# Altium PCB MB1166.PcbDoc (part 1 of 39)
Units mil, origin at the board's own origin, x right, y up, seen from the top; angles counter-clockwise.
Board outline 5000.99 x 2352.96 mil, 4 copper layers (TOP, L2_GND, L3_VCC, BOTTOM), stack 25.9 mil thick; 35 components, 24 nets, 166 pads, 143 vias.
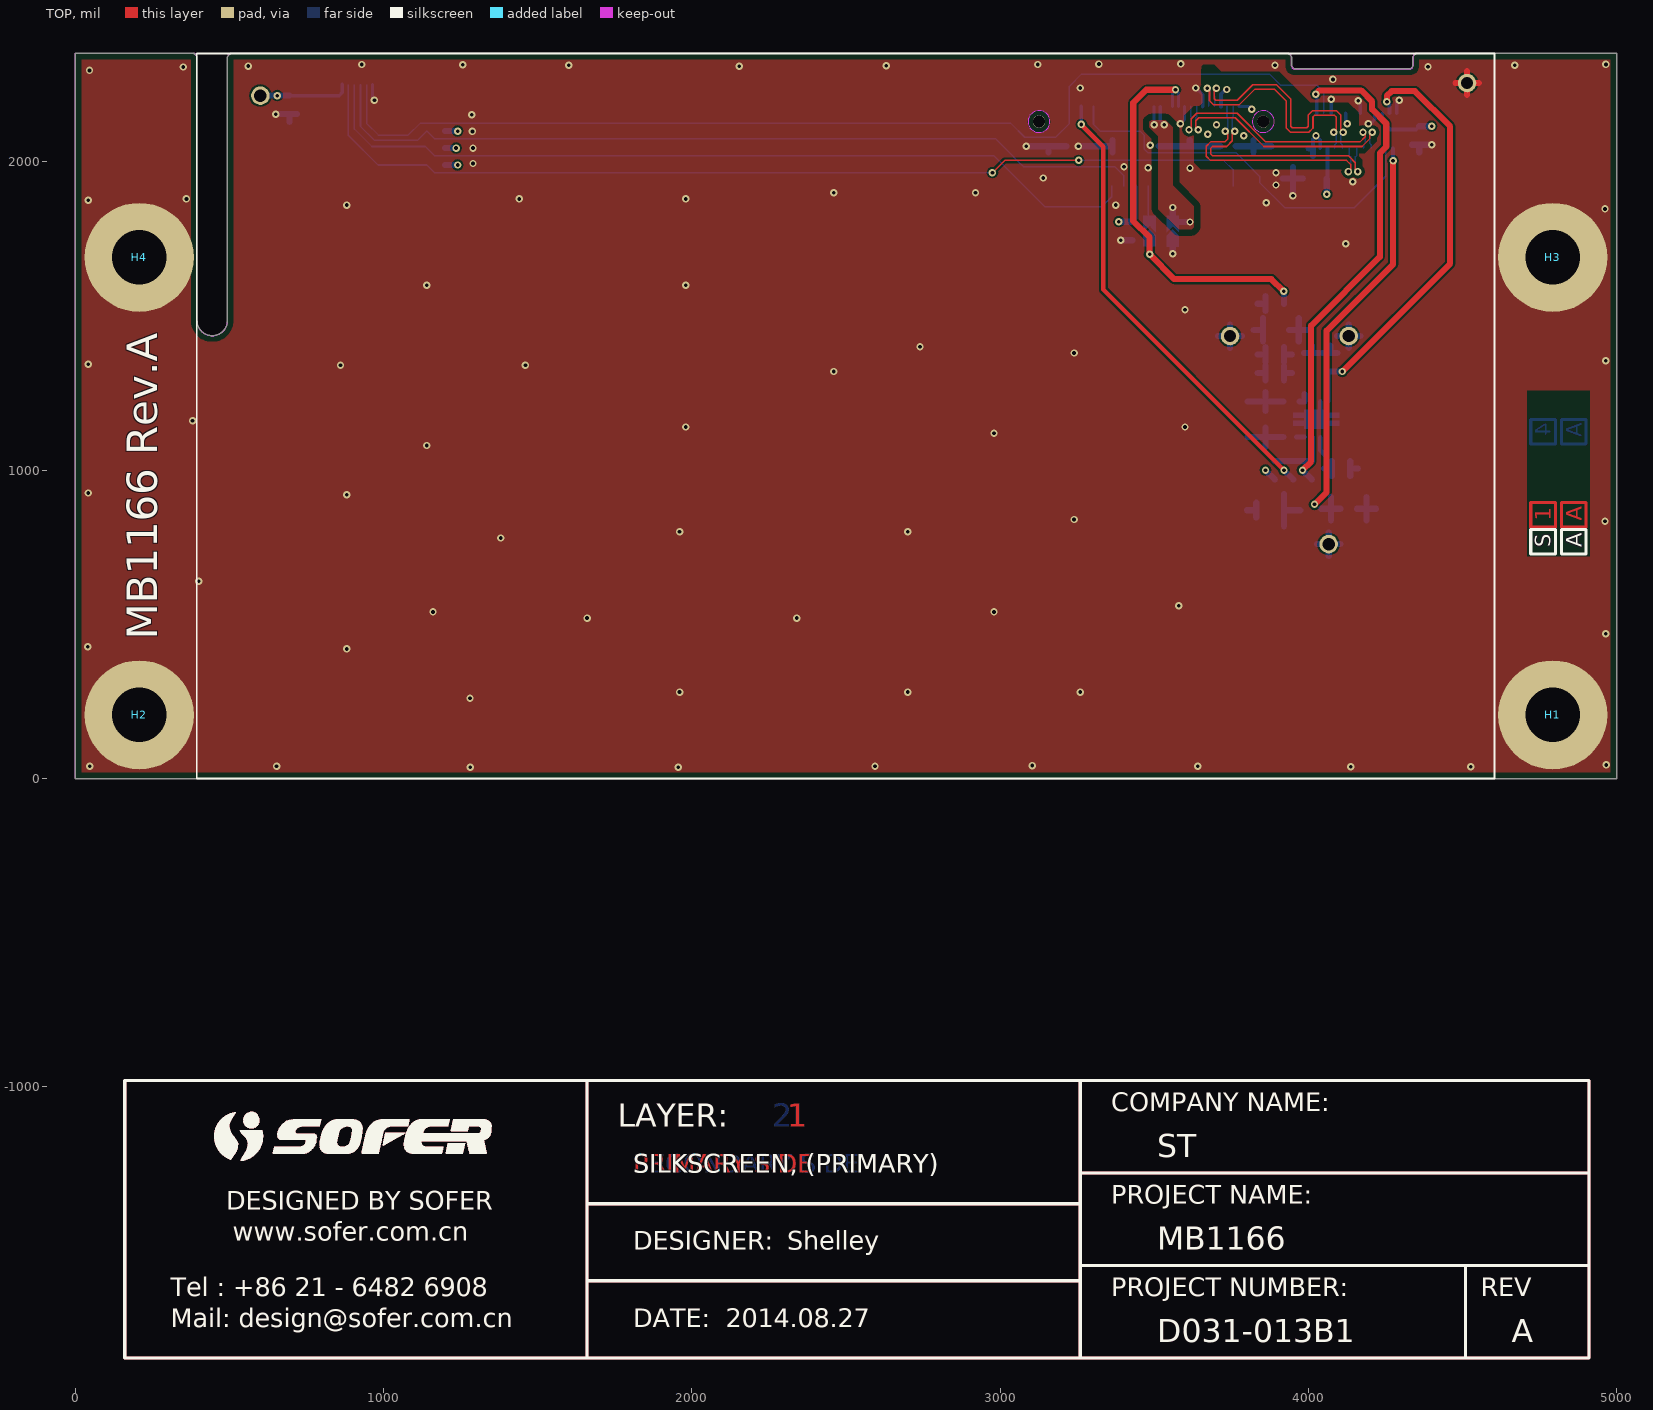
[diagram p0: TOP view]
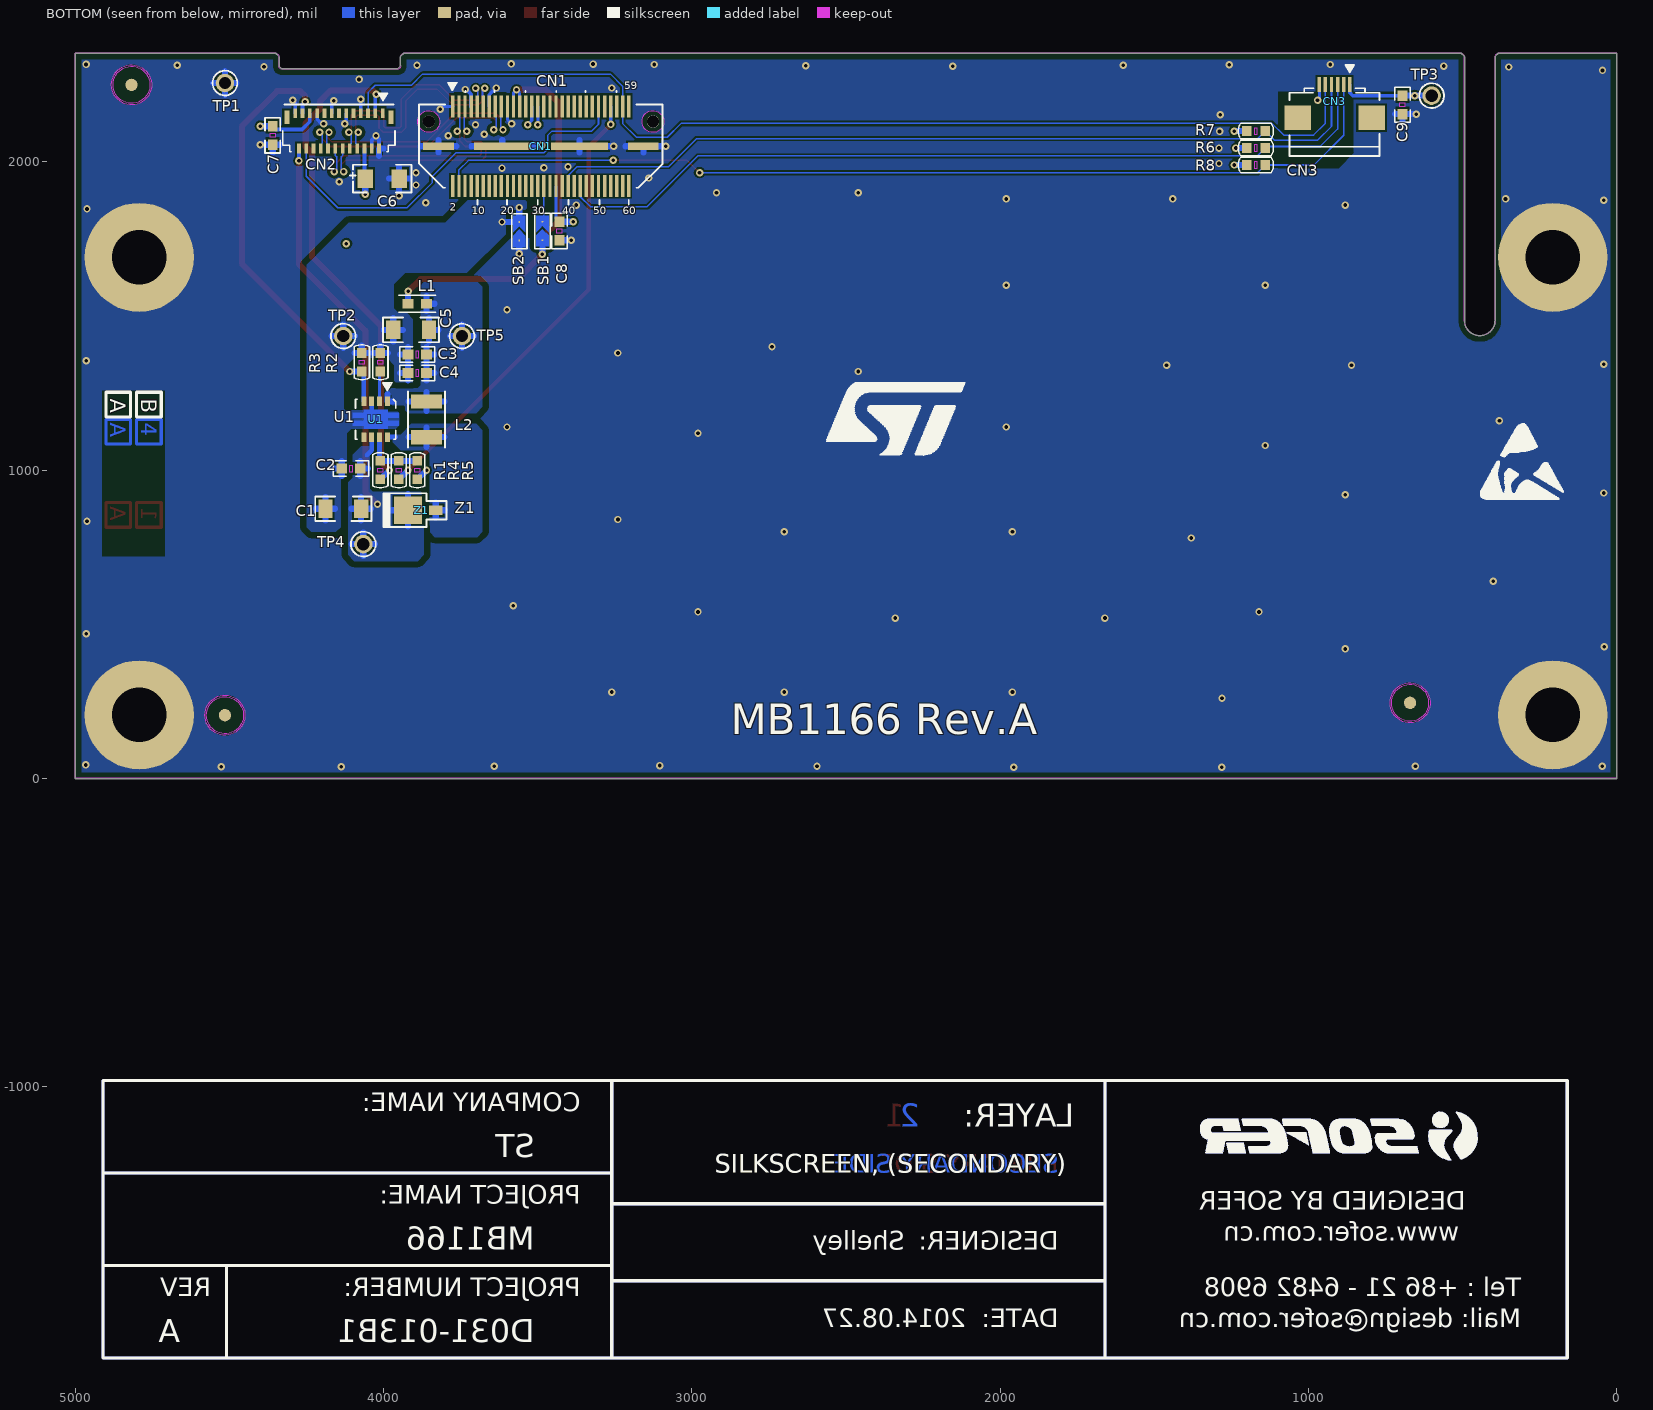
[diagram p1: BOTTOM view, seen from below]
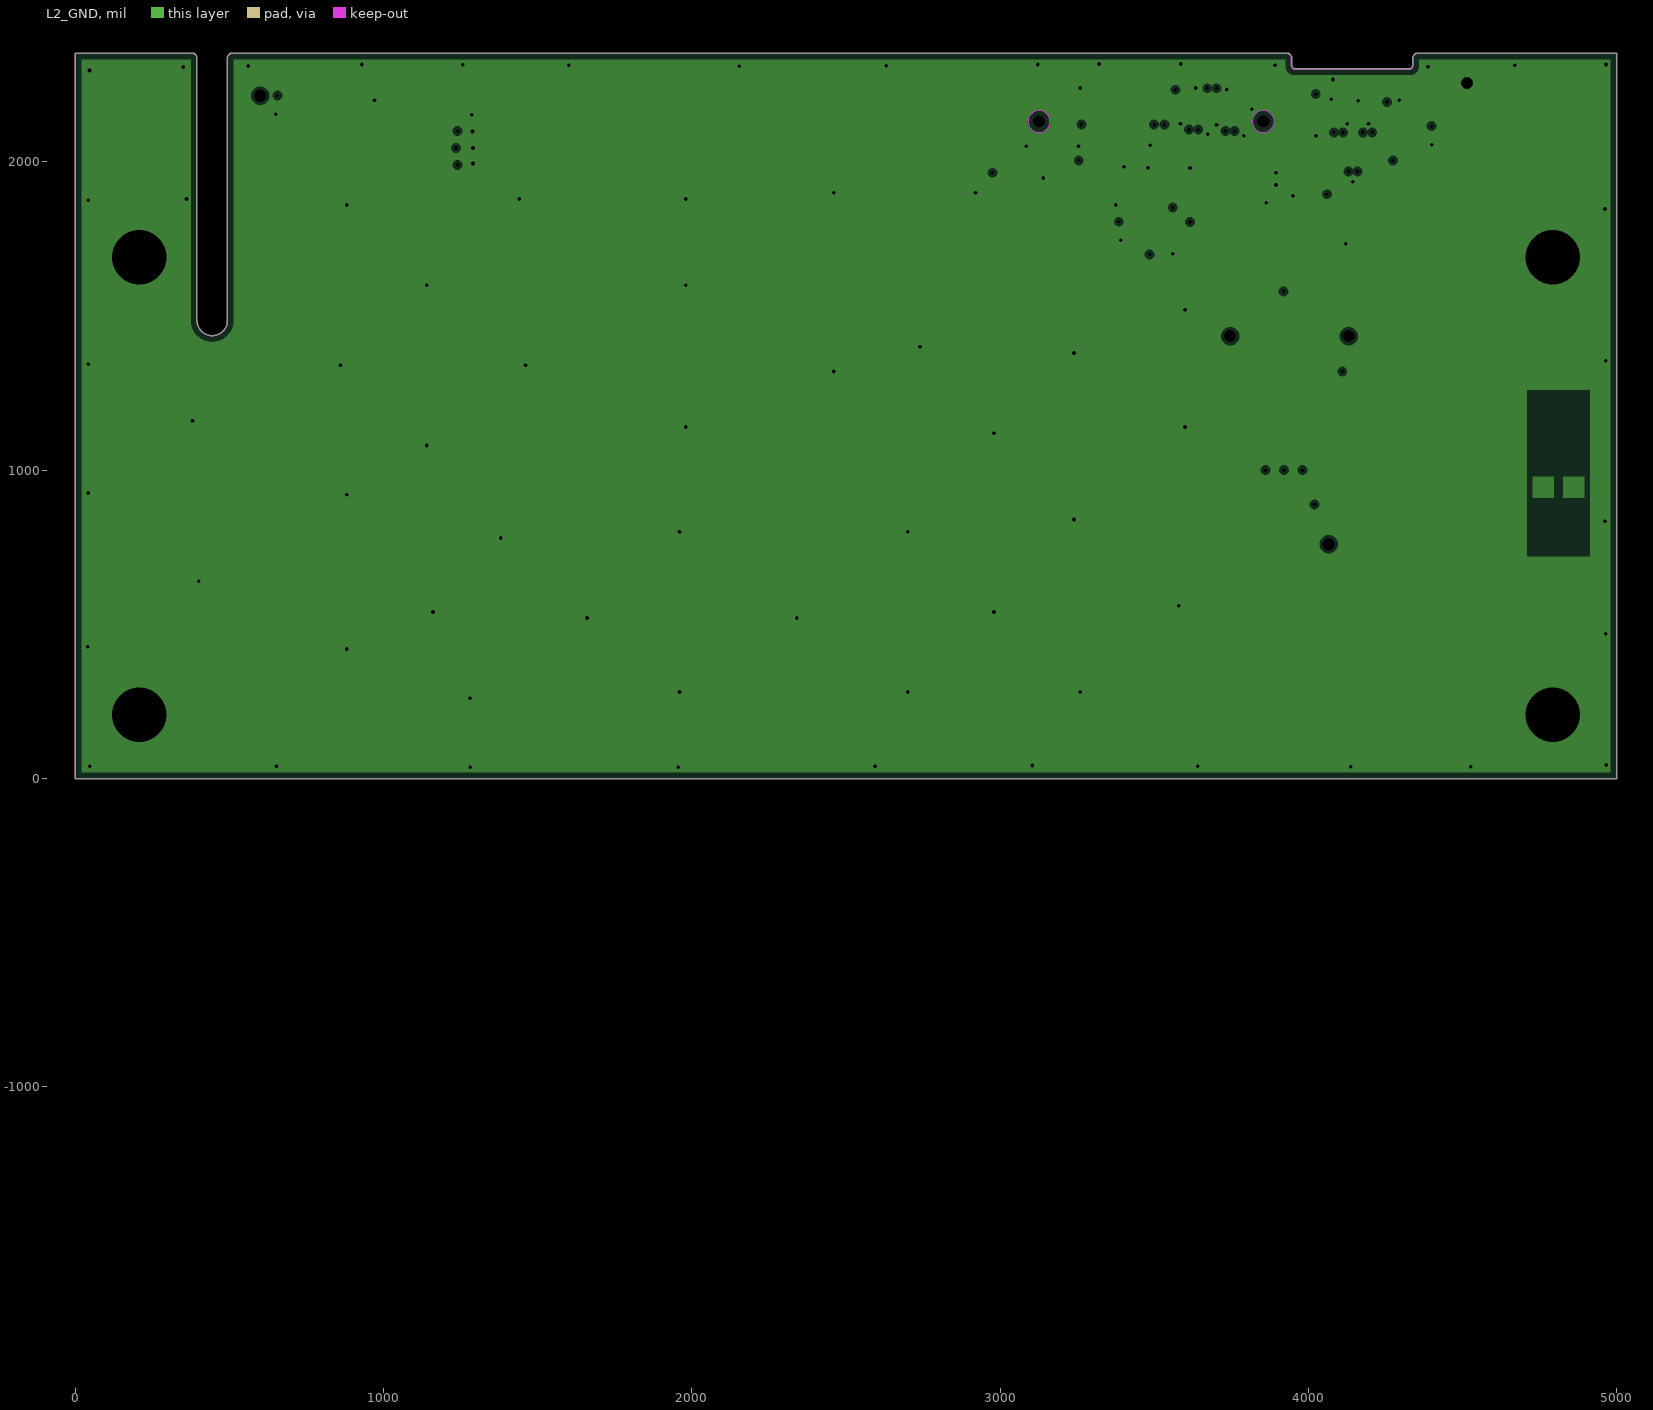
[diagram p2: L2_GND, clearances drawn from the general rule]
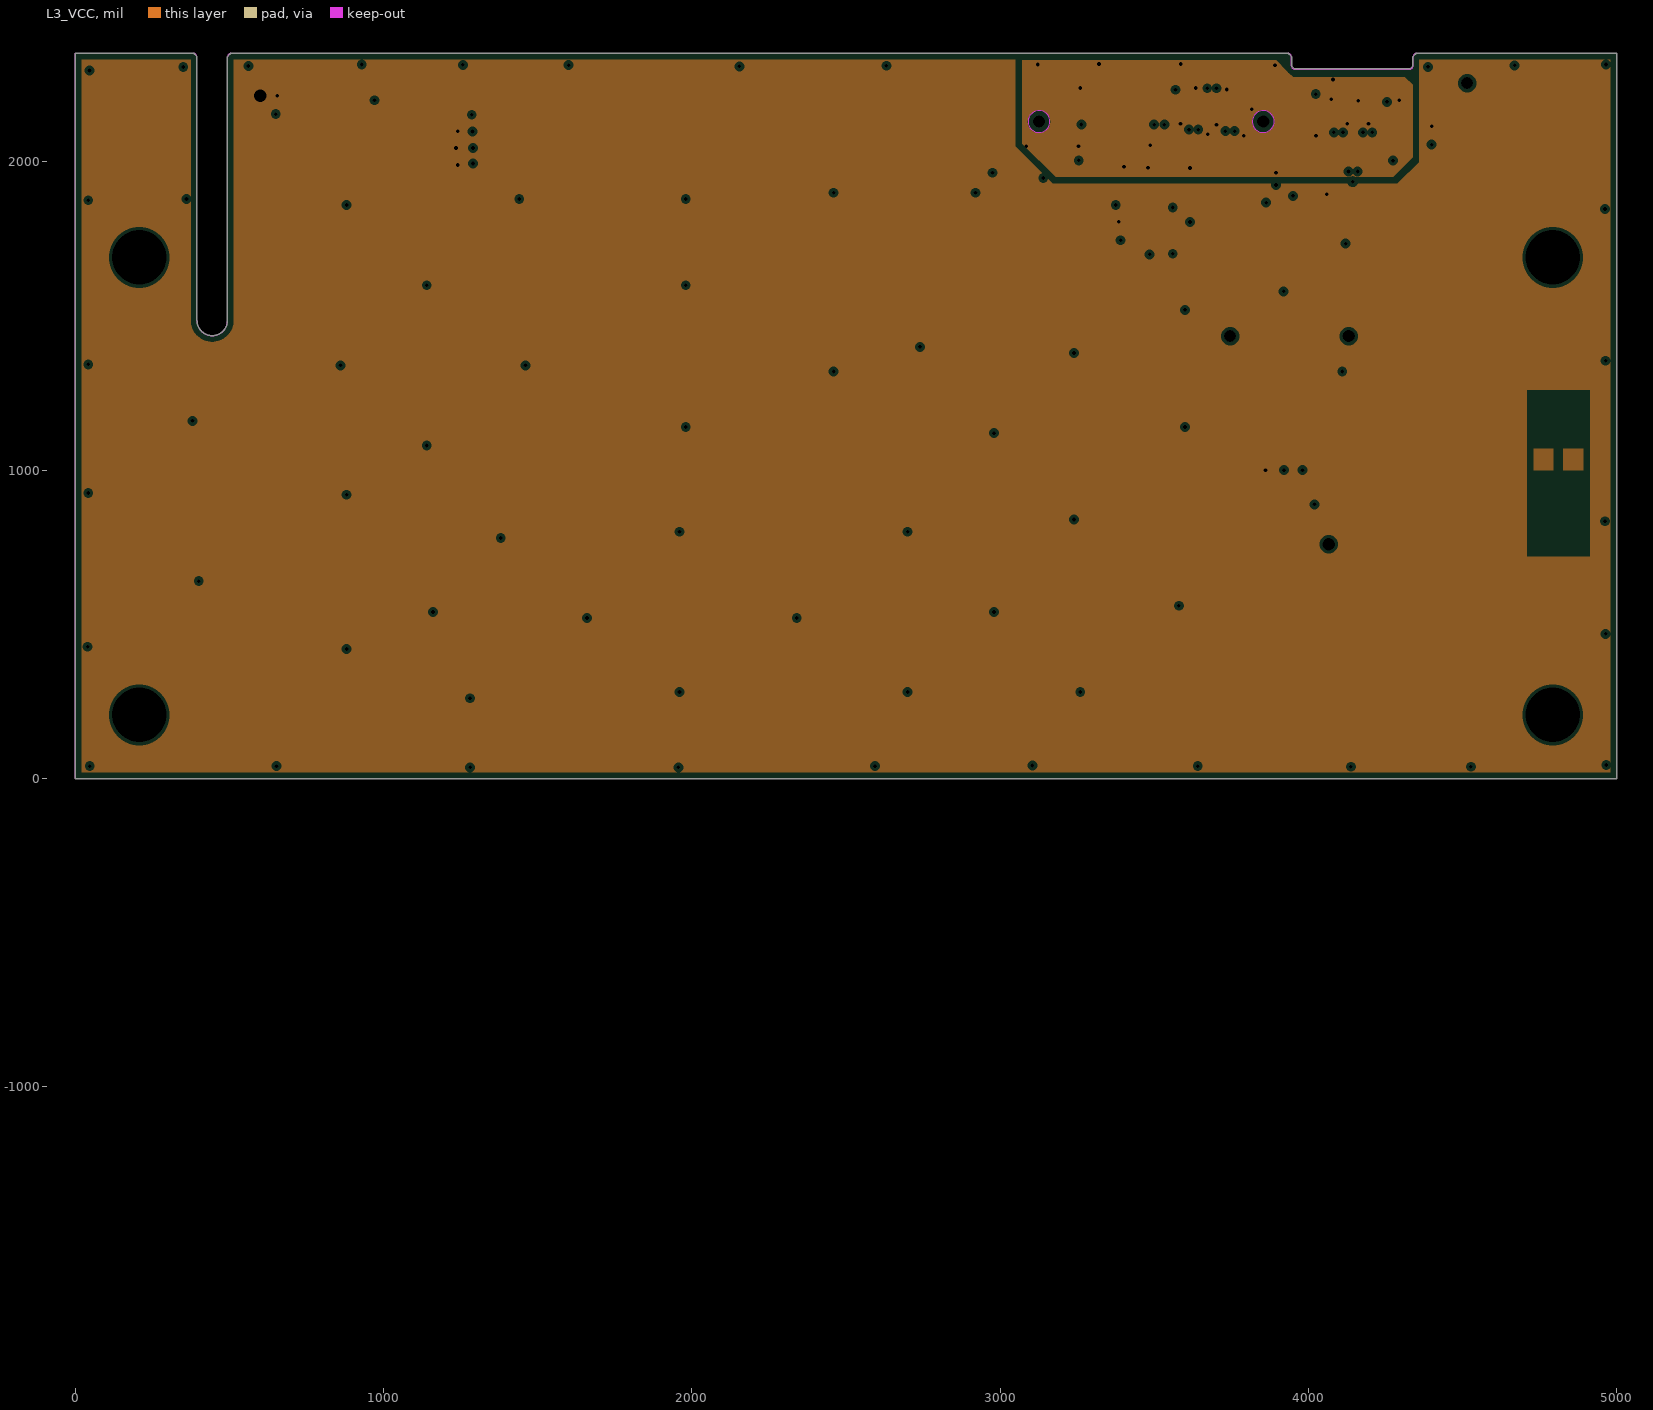
[diagram p3: L3_VCC, clearances drawn from the general rule]

## Layer stack, top to bottom
Top Solder: solder mask 0.4, Solder Resist, Dk 3.5
TOP: signal copper 1.8
Dielectric 1: core 8, FR-4, Dk 4.5
L2_GND: plane copper 1.2
Dielectric2: core 8, FR-4, Dk 4.5
L3_VCC: plane copper 1.2
Dielectric3: core 3.9, FR-4, Dk 4.3
BOTTOM: signal copper 1.8
Bottom Solder: solder mask 0.4, Solder Resist, Dk 3.5

## Board outline
-0.5,0 0,-0.5 4999.99,-0.5 5000.49,0 5000.49,2351.96 4999.99,2352.46 4350,2352.46 4339.5,2341.96 4339.5,2311.3 4330,2301.8 3955,2301.8 3945.5,2311.3 3945.5,2341.96 3935,2352.46 503.74,2352.46 493.24,2341.96 493.24,1485.99 cw(c443.74,1485.99) 443.74,1436.49 cw(c443.74,1485.99) 394.24,1485.99 394.24,2341.96 383.74,2352.46 0,2352.46 -0.5,2351.96

## Design rules (kind name [scope] priority, off if disabled: settings)
Clearance Clearance_Keepout [IsKeepout] p1: gap=0.01 ignorepadtopadclearanceinfootprint=FALSE
Clearance Clearance_HSSI_D0_N [(ObjectKind = 'Via') And (Net = 'HSSI_D0_N') And (AsMils(X1) = 3671.84) vs InPolygon And OnTopLayer] p2: gap=10 ignorepadtopadclearanceinfootprint=FALSE
Clearance Clearance_HSSI [InNet('HSSI_CLK_N','HSSI_CLK_P','HSSI_D1_N','HSSI_D1_P') vs InPolygon] p3: gap=10 ignorepadtopadclearanceinfootprint=FALSE
Clearance Clearance_BGA [TouchesRoom('RoomDefinition_BGA1') or TouchesRoom('RoomDefinition_BGA2')] p4: gap=5 ignorepadtopadclearanceinfootprint=FALSE except(4: Arc-Arc Arc-Track Arc-SMDPad Arc-THPad Arc-Via Arc-Text Arc-Hole Track-Track Track-SMDPad Track-THPad Track-Via Track-Text Track-Hole SMDPad-SMDPad SMDPad-THPad SMDPad-Via SMDPad-Text THPad-Via THPad-Text Via-Text Via-Hole Fill-Text Poly-Text Region-Text Text-Text)
Clearance Clearance_SB_0603 [HasFootprint('SB_0603') vs (HasFootprint('SB_0603') or IsTrack) and not InPolygon] p5: gap=5 ignorepadtopadclearanceinfootprint=FALSE except(0: Arc-Hole Track-Hole SMDPad-Hole THPad-Hole Via-Hole Fill-Hole Poly-Hole Region-Hole Text-Hole; 6: Arc-Fill Arc-Poly Arc-Region Track-Fill Track-Poly Track-Region SMDPad-Fill SMDPad-Poly SMDPad-Region THPad-Fill THPad-Poly THPad-Region Via-Fill Via-Poly Via-Region; 7: Fill-Fill Fill-Poly Fill-Region Poly-Poly Poly-Region Region-Region)
Clearance Clearance_20 [InDifferentialPairClass('100OHM') vs not TouchesRoom('RoomDefinition_TitleBlock')] p6: gap=5 ignorepadtopadclearanceinfootprint=FALSE except(0: Arc-Hole Track-Hole SMDPad-Hole THPad-Hole Via-Hole Fill-Hole Poly-Hole Region-Hole Text-Hole; 6: SMDPad-Fill SMDPad-Poly SMDPad-Region THPad-Fill THPad-Poly THPad-Region Via-Fill Via-Poly Via-Region; 20: Arc-Arc Arc-Track Arc-Fill Arc-Poly Arc-Region Track-Track Track-Fill Track-Poly Track-Region Fill-Fill Fill-Poly Fill-Region Poly-Poly Poly-Region Region-Region)
Clearance [All vs not TouchesRoom('RoomDefinition_TitleBlock')] p7: gap=5 ignorepadtopadclearanceinfootprint=FALSE except(0: Arc-Hole Track-Hole SMDPad-Hole THPad-Hole Via-Hole Fill-Hole Poly-Hole Region-Hole Text-Hole; 6: Arc-Fill Arc-Poly Arc-Region Track-Fill Track-Poly Track-Region SMDPad-Fill SMDPad-Poly SMDPad-Region THPad-Fill THPad-Poly THPad-Region Via-Fill Via-Poly Via-Region; 20: Fill-Fill Fill-Poly Fill-Region Poly-Poly Poly-Region Region-Region)
ComponentClearance [All] p1: gap=0 collisioncheckmode=3 verticalgap=0 showdistances=FALSE
DiffPairsRouting DiffPairsRouting_100OHM [InDifferentialPairClass('100OHM')] p1: maxlimit=9.9 minlimit=9.9 mostfreqgap=9.9 toplayer_minwidth=5 toplayer_maxwidth=9999 toplayer_prefwidth=5.1 bottomlayer_minwidth=5 bottomlayer_maxwidth=9999 bottomlayer_prefwidth=5.1 maxuncoupledlength=500
DiffPairsRouting [All] p2: maxlimit=10 minlimit=10 mostfreqgap=10 toplayer_minwidth=15 toplayer_maxwidth=15 toplayer_prefwidth=15 bottomlayer_minwidth=15 bottomlayer_maxwidth=15 bottomlayer_prefwidth=15 maxuncoupledlength=500
HoleSize [All] p1: absolutevalues=TRUE maxlimit=200 minlimit=1 maxpercent=80.000 minpercent=20.000
PlaneClearance PlaneConnect_Fixations-L3 [InComponent('H*')] p1: clearance=20
PlaneClearance PlaneClearance_CN1 [IsPad And (Name = 'CN1- ') or InComponent('TP*')] p2: clearance=15
PlaneClearance [All] p3: clearance=10
PlaneConnect PlaneConnect_TP1_TP3 [InComponent('TP1','TP3')] p1: planeconnectstyle=Relief reliefexpansion=8 reliefentries=4 reliefconductorwidth=15 reliefairgap=7
PlaneConnect PlaneConnect_Fixations [InComponent('H*')] p2: planeconnectstyle=Relief reliefexpansion=8 reliefentries=4 reliefconductorwidth=40 reliefairgap=7
PlaneConnect [All] p3: planeconnectstyle=Direct reliefexpansion=8 reliefentries=4 reliefconductorwidth=40 reliefairgap=7
PolygonConnect PolygonConnect_Fixations [InComponent('H*')] p1: connectstyle=Direct reliefconductorwidth=10 reliefentries=4 polygonreliefangle="90 Angle" airgapwidth=10
PolygonConnect [All] p2: thpad.connectstyle=NoConnect thpad.reliefconductorwidth=10 thpad.reliefentries=4 thpad.polygonreliefangle="90 Angle" thpad.airgapwidth=6 smdpad.connectstyle=NoConnect smdpad.reliefconductorwidth=10 smdpad.reliefentries=4 smdpad.polygonreliefangle="90 Angle" smdpad.airgapwidth=6 via.connectstyle=Direct via.reliefconductorwidth=10 via.reliefentries=4 via.polygonreliefangle="90 Angle" via.airgapwidth=10
RoomDefinition Top [InComponentClass('Top')] p1: confinementstyle=ConfineOut formatcopy=TRUE lockcomponents=FALSE outline 4080,2070 4180,2070 4180,2015 4080,2015
RoutingVias [All] p1: holewidth=12 width=24 viastyle="Through Hole" minholewidth=12 minwidth=24 maxholewidth=12 maxwidth=24
SolderMaskExpansion SolderMaskExpansion_Via [IsVia] p1: expansion=-100 istentingtop=FALSE
SolderMaskExpansion [All] p2: expansion=3 istentingtop=FALSE
Width Width_20MIL [InNetClass('20MIL')] p1: maxlimit=9999 minlimit=5 preferedwidth=20
Width [not TouchesRoom('RoomDefinition_TitleBlock')] p2: maxlimit=9999 minlimit=5 preferedwidth=5 minimp=60.000000 maximp=60.000000 favimp=60.000000
25 further rules are at their usual default settings.

## Classes and differential pairs
differential pair DIFFPAIR0: +HSSI_CLK_P -HSSI_CLK_N
differential pair DIFFPAIR1: +HSSI_D0_P -HSSI_D0_N
differential pair DIFFPAIR2: +HSSI_D1_P -HSSI_D1_N

## Components (designator, comment, footprint, x,y, rotation, side; value= is the part's Value field where it differs from the comment)
C1 "4.7uF/50V" 1206C 4130.98,875 r180 bottom value=100pF
C2 "10nF" 0603C 4105.98,1005 r0 bottom value=100pF
C3 "100nF" 0603C 3890.98,1375 r0 bottom value=100pF
C4 "10nF" 0603C 3890.98,1315 r0 bottom value=100pF
C5 "4.7uF/10V" 1206C 3910.98,1455 r180 bottom value=100pF
C6 "4.7uF" TAN-A 4005,1945.98 r180 bottom value=100pF
C7 "100nF" 0603C 4360,2085.98 r270 bottom value=100pF
C8 "100nF" 0603C 3430,1775.98 r270 bottom value=100pF
C9 "100nF" 0603C 695,2185 r270 bottom value=100pF
CN1 "QTH-030-02-F-D-A" QTH-030-02-F-D-A 3490,2050.98 r0 bottom
CN2 "FH26-25S-0.3SHW" FPC25_FPC03025-1420 4145,2100.98 r180 bottom
CN3 "FH19C-6S-05SH" FH19C-6S-0R5SH_FPC_CPT 915,2250.98 r0 bottom
H1 "POSITION HOLE" HOLE_C9D4R5 4792.99,205.83 r0 top
H2 "POSITION HOLE" HOLE_C9D4R5 207,205.83 r0 top
H3 "POSITION HOLE" HOLE_C9D4R5 4792.99,1690.24 r0 top
H4 "POSITION HOLE" HOLE_C9D4R5 207,1690.24 r0 top
L1 "BEAD" 0603L 3890.98,1540 r0 bottom value=100uH
L2 "4.7uH(1A)" 1210L 3860.98,1165 r90 bottom value=100uH
R1 "0" 0603R 4010.98,1000 r90 bottom value=1K
R2 "100K" 0603R 4010.98,1350 r270 bottom value=1K
R3 "10" 0603R 4070.98,1350 r90 bottom value=1K
R4 "[N/A]" 0603R 3950.98,1000 r90 bottom value=1K
R5 "4K7" 0603R 3890.98,1000 r90 bottom value=1K
R6 "[N/A]" 0603R 1170,2045 r180 bottom value=1K
R7 "[N/A]" 0603R 1170,2100 r180 bottom value=1K
R8 "4K7" 0603R 1170,1990 r0 bottom value=1K
SB1 "Open" SB_0603 3485,1775.98 r90 bottom
SB2 "Open" SB_0603 3560,1775 r90 bottom
TP1 "" TP 4515,2255.98 r0 bottom
TP2 "" TP 4130.98,1435 r270 bottom
TP3 "" TP 600,2215 r180 bottom
TP4 "" TP 4065.98,760 r270 bottom
TP5 "" TP 3745.98,1435 r270 bottom
U1 "STLD40DPUR" SON8_0R65_3X3 4025.98,1165 r180 bottom
Z1 "STPS1L40M" DO-216AA 3830.98,870 r180 bottom

## Footprints (in the part's own frame and the unit in brackets; to place one, negate y for a bottom-side part, rotate by r counter-clockwise, add the part's x,y. Pads: shape width x height; smd on the part's side, far side on the other; paste and mask are expansions set on the pad)
0603C [mil] "0603C"
  rect 35x32 smd: 1(30,0) 2(-30,0)
  TOP keep-out region: 5,10 -5,10 -5,-10 5,-10 5,10
  silkscreen extent -57,-25 57,25, body extent -50,-20 50,20, height 150
0603L [mil] "0603L"
  rect 35x32 smd: 1(30,0) 2(-30,0)
  silkscreen extent -60,-28 60,28, body extent -50,-19 50,19, height 150
0603R [mil] "0603R"
  rect 31x32 smd: 1(30,0) 2(-30,0)
  TOP keep-out region: 5,-10 5,10 -5,10 -5,-10 5,-10
  silkscreen extent -57,-25 57,25, body extent -50,-20 50,20, height 150
1206C [mil] "1206C"
  rect 46x60 smd: 1(58,0) 2(-58,0)
  silkscreen extent -91,-40 91,40, body extent -81,-30 81,30, height 150
1210L [mil] "1210L"
  rect 46x100 smd: 1(58,0) 2(-58,0)
  silkscreen extent -91,-60 91,60, body extent -83,-53 83,53, height 150
DO-216AA [mil] "DO-216AA"
  rect 45x32 smd: 1(0,0)
  rect 90x89 smd: 2(-90,0)
  silkscreen extent -170,-55 35,55, body extent -173,-58 38,58, height 150
FH19C-6S-0R5SH_FPC_CPT [mil] "FH19C-6S-0R5SH_FPC_CPT"
  rect 11x49 smd mask+2: 1(-49.21,0) 2(-29.53,0) 3(-9.84,0) 4(9.84,0) 5(29.53,0) 6(49.21,0)
  rect 86x79 smd: 7(120.08,107.28) 8(-120.08,107.28)
  silkscreen extent -146,-64 146,231, body extent -165,-30 170,230, height 150
FPC25_FPC03025-1420 [mil] "FPC25_FPC03025-1420"
  rect 12x32 smd: 1(141.73,57.09) 2(129.92,-57.09) 3(118.11,57.09) 4(106.3,-57.09) 5(94.49,57.09) 6(82.68,-57.09) 7(70.87,57.09) 8(59.06,-57.09) 9(47.24,57.09) 10(35.43,-57.09) 11(23.62,57.09) 12(11.81,-57.09) 13(0,57.09) 14(-11.81,-57.09) 15(-23.62,57.09) 16(-35.43,-57.09) 17(-47.24,57.09) 18(-59.06,-57.09) 19(-70.87,57.09) 20(-82.68,-57.09) 21(-94.49,57.09) 22(-106.3,-57.09) 23(-118.11,57.09) 24(-129.92,-57.09) 25(-141.73,57.09)
  rect 16x44 smd: " "(-169.29,43.31) " "(169.29,43.31)
  silkscreen extent -182,-68 182,122, body extent -177,-76 177,79, height 150
HOLE_C9D4R5 [mil] "HOLE_C9D4R5"
  round 354 / inner round 60 / far side round 354 hole 177 mask+4: 1(0,0)
  body extent -185,-185 185,185, height 150
QTH-030-02-F-D-A [mil] "QTH-030-02-F-D-A"
  rect 11x72 smd mask+2: 1(285.43,-129.13) 2(285.43,129.13) 3(265.75,-129.13) 4(265.75,129.13) 5(246.06,-129.13) 6(246.06,129.13) 7(226.38,-129.13) 8(226.38,129.13) 9(206.69,-129.13) 10(206.69,129.13) 11(187.01,-129.13) 12(187.01,129.13) 13(167.32,-129.13) 14(167.32,129.13) 15(147.64,-129.13) 16(147.64,129.13) 17(127.95,-129.13) 18(127.95,129.13) 19(108.27,-129.13) 20(108.27,129.13) 21(88.58,-129.13) 22(88.58,129.13) 23(68.9,-129.13) 24(68.9,129.13) 25(49.21,-129.13) 26(49.21,129.13) 27(29.53,-129.13) 28(29.53,129.13) 29(9.84,-129.13) 30(9.84,129.13) 31(-9.84,-129.13) 32(-9.84,129.13) 33(-29.53,-129.13) 34(-29.53,129.13) 35(-49.21,-129.13) 36(-49.21,129.13) 37(-68.9,-129.13) 38(-68.9,129.13) 39(-88.58,-129.13) 40(-88.58,129.13) 41(-108.27,-129.13) 42(-108.27,129.13) 43(-127.95,-129.13) 44(-127.95,129.13) 45(-147.64,-129.13) 46(-147.64,129.13) 47(-167.32,-129.13) 48(-167.32,129.13) 49(-187.01,-129.13) 50(-187.01,129.13) 51(-206.69,-129.13) 52(-206.69,129.13) 53(-226.38,-129.13) 54(-226.38,129.13) 55(-246.06,-129.13) 56(-246.06,129.13) 57(-265.75,-129.13) 58(-265.75,129.13) 59(-285.43,-129.13) 60(-285.43,129.13)
  rect 100x25 smd: 61(332.48,0) 64(-332.48,0)
  rect 185x25 smd: 62(125,0) 63(-125,0)
  round 40 / inner round 60 / far side round 40 hole 40: " "(-363.78,-79.92) " "(363.78,-79.92)
  Multi-Layer keep-out circle w1: c363.78,-79.92 r35.43
  Multi-Layer keep-out circle w1: c-363.78,-79.92 r35.43
  silkscreen extent -395,-206 395,190, body extent -389,-170 389,170, height 150
SB_0603 [mil] "SB_0603"
  round 6 smd: 1(30,0) 2(-30,0)
  TOP region: 50,20 -3.75,20 10.75,5.5 16.32,-0.08 -3.6,-20 50,-20 50,20
  TOP region: -50,-20 -50,20 -13.75,20 6.25,0 -13.75,-20 -50,-20
  silkscreen extent -57,-25 57,25, body extent -50,-20 50,20, height 150
SON8_0R65_3X3 [mil] "SON8_0R65_3X3"
  rect 16x31 smd: 1(38.39,58.07) 2(12.8,58.07) 3(-12.8,58.07) 4(-38.39,58.07) 5(-38.39,-58.07) 6(-12.8,-58.07) 7(12.8,-58.07) 8(38.39,-58.07)
  oct 1x1 smd: 9(0,0)
  silkscreen extent -65,-65 65,118, body extent -78,-78 78,78, height 150
TAN-A [mil] "TAN-A"
  rect 50x60 smd: 1(-55,0) 2(55,0)
  silkscreen extent -105,-45 95,45, body extent -85,-25 85,25, height 150
TP [mil] "TP"
  round 60 hole 40: 1(0,0)
  silkscreen extent -40,-40 40,40, body extent -31,-31 31,31, height 150

## Part data
C1 C2 C3 C4 C7 C8 C9: library part CAP, "Capacitor", Published=8-Jun-2000, Publisher="Altium Limited", Revision="July-2002: Re-released for DXP Platform."
C5 C6: library part "Cap Pol1", "Polarized Capacitor (Radial)", Published=8-Jun-2000, Publisher="Altium Limited", Revision="July-2002: Re-released for DXP Platform."
CN1: "HIGH SPEED TERMINAL STRIP, .5mm PITCH, 60 PINS.", Manufacturer=SAMTEC, CREATED="16 FEB 2013 - WENDY XIN", PCB DECAL=QTH-030-02-X-D-A
L1 L2: library part Inductor, "Inductor", Published=8-Jun-2000, Publisher="Altium Limited", Revision="July-2002: Re-released for DXP Platform."
R1 R2 R3 R4 R5 R6 R7 R8: library part Res1, "Resistor", Published=8-Jun-2000, Publisher="Altium Limited", Revision="July-2002: Re-released for DXP Platform."
SB1 SB2: library part "Circuit Breaker", "Circuit Breaker", Published=24-Mar-1999, Publisher="Altium Limited", Revision="July-2002: Re-released for DXP Platform."
TP1 TP2 TP3 TP4 TP5: library part TP
U1: library part STLD40DPMR
Z1: library part "D Schottky", "Schottky Diode", Code - JEDEC=DO-214-AA, Published=8-Jun-2000, Publisher="Altium Limited", Revision="July-2002: Re-released for DXP Platform."

## Free pads (board coordinates)
  round 40 smd far side mask+40: ""(670,245) ""(4515,205) ""(4818,2250)

## Via types
v1: diameter 24, hole 12, TOP to BOTTOM, 143 vias

## Nets (pads, with @x,y where several pads share a name; then routed paths per layer and width w, separated by ;. In a path a pad name is that pad's centre, name@x,y a point inside that pad or via, vN(x,y) a via of type N, cw(c..) or ccw(c..) an arc to the next point about the centre after c; other vN are vias at no path point)
A: C1.1 C2.2 CN2.24 TP4.1 U1.6 Z1.2 | length 1847.9
  TOP w20: v1(4020,889) 4059,928 4059,1452 4274.92,1667.92 v1(4274.92,2004.08)
  BOTTOM w12: v1(4274.92,2004.08) CN2.24@4274.92,2043.89
  BOTTOM w15: U1.6@4038.78,1106.93 4038.78,1064.22 4055,1048
  BOTTOM w20: 3920.98,817.48 Z1.2@3920.98,870 ; 3920.98,922.52 Z1.2@3920.98,870 ; 3974,870 Z1.2@3920.98,870 ; 4027.96,760 TP4.1@4065.98,760 ; 4041.96,875 C1.1@4072.98,875 ; 4050.46,1005 C2.2@4075.98,1005 ; 4065.98,721.98 TP4.1@4065.98,760 ; 4065.98,798.02 TP4.1@4065.98,760 ; 4072.98,836.98 C1.1@4072.98,875 ; 4072.98,913.02 C1.1@4072.98,875 ; 4075.98,980.98 C2.2@4075.98,1005 ; 4075.98,1029.02 C2.2@4075.98,1005 ; 4104,760 TP4.1@4065.98,760 ; 4104,875 C1.1@4072.98,875
BL_CTRL: CN1.53 R4.2 | length 1494.8
  TOP w15: v1(3263.62,2121.62) 3263.62,2120.38 3335,2049 3335,1585.98 v1(3920.98,1000)
  BOTTOM w12: v1(3263.62,2121.62) CN1.53@3263.62,2180.11
  BOTTOM w20: v1(3920.98,1000) R4.2@3950.98,970
BLGND: C1.2 C2.1 C3.1 C4.1 C5.2 CN1.27 CN1.29 R2.2 R3.1 SB2.1 TP2.1 U1.3 U1.9 | length 1082.2
  BOTTOM w10: v1(3499.84,2121) CN1.29@3499.84,2180.11 ; CN1.27@3519.53,2180.11 3519.53,2134.47 v1(3533,2121)
  BOTTOM w15: U1.9@4025.98,1165 4038.78,1177.8 U1.3@4038.78,1223.07
  BOTTOM w20: v1(3560,1852) SB2.1@3560,1805 v1(3616,1805) ; 3920.98,1290.98 C4.1@3920.98,1315 ; 3920.98,1339.02 C4.1@3920.98,1315 ; 3920.98,1350.98 C3.1@3920.98,1375 ; 3920.98,1399.02 C3.1@3920.98,1375 ; 3937.96,1455 C5.2@3968.98,1455 ; 3946.5,1315 C4.1@3920.98,1315 ; 3946.5,1375 C3.1@3920.98,1375 ; 3968.98,1416.98 C5.2@3968.98,1455 ; 3968.98,1493.02 C5.2@3968.98,1455 ; 3986.96,1380 R2.2@4010.98,1380 ; 4000,1455 C5.2@3968.98,1455 ; 4010.98,1403.52 R2.2@4010.98,1380 ; 4035,1380 R2.2@4010.98,1380 ; 4046.96,1380 R3.1@4070.98,1380 ; 4070.98,1403.52 R3.1@4070.98,1380 ; 4092.96,1435 TP2.1@4130.98,1435 ; 4095,1380 R3.1@4070.98,1380 ; 4130.98,1396.98 TP2.1@4130.98,1435 ; 4130.98,1473.02 TP2.1@4130.98,1435 ; 4135.98,980.98 C2.1@4135.98,1005 ; 4135.98,1029.02 C2.1@4135.98,1005 ; 4157.96,875 C1.2@4188.98,875 ; 4161.5,1005 C2.1@4135.98,1005 ; 4169,1435 TP2.1@4130.98,1435 ; 4188.98,836.98 C1.2@4188.98,875 ; 4188.98,913.02 C1.2@4188.98,875 ; 4220,875 C1.2@4188.98,875
BLVDD: CN1.21 CN1.23 L1.1 SB1.2 | length 1355.4
  TOP w20: v1(3569,2234) 3474,2234 3432,2192 3432,1808 3485,1755 v1(3485,1700) 3565,1620 3880,1620 v1(3920,1580)
  BOTTOM w10: CN1.23@3558.9,2180.11 3558.9,2223.9 v1(3569,2234) 3578.58,2224.42 CN1.21@3578.58,2180.11
  BOTTOM w20: v1(3485,1700) SB1.2@3485,1745.98 ; v1(3920,1580) 3920.98,1579.02 L1.1@3920.98,1540
CABC: CN2.3 R1.2 | length 1636.2
  TOP w20: v1(3980.98,1000) 4008.76,1027.78 4008.76,1468.76 4232,1692 4232,2028.57 4253,2049.57 4253,2124.66 4206.96,2170.7 4206.96,2196.04 4171,2232 4036,2232 v1(4024,2220)
  BOTTOM w12: v1(4024,2220) 4026.89,2217.11 CN2.3@4026.89,2158.07
  BOTTOM w20: v1(3980.98,1000) R1.2@4010.98,970
GND: C6.2 C7.1 C8.1 C9.1 CN1.1 CN1.7 CN1.13 CN1.19 CN1.61 CN1.62 CN1.63 CN1.64 CN2.2 CN2.4 CN2.7 CN2.11 CN2.15 CN2.19 CN2.25 CN3.6 H1.1 H2.1 H3.1 H4.1 SB2.2 TP1.1 | length 2050.9
  TOP w20: 4476.98,2255.98 TP1.1@4515,2255.98 ; 4515,2217.96 TP1.1@4515,2255.98 ; 4515,2294 TP1.1@4515,2255.98 ; 4553.02,2255.98 TP1.1@4515,2255.98
  BOTTOM w10: CN3.6@964.21,2250.98 964.21,2205.79 v1(970,2200) ; v1(3585,2124) 3598.27,2137.27 CN1.19@3598.27,2180.11 ; CN1.1@3775.43,2180.11 3806.45,2180.11 v1(3816,2170.56)
  BOTTOM w11: CN2.7@4074.13,2158.07 v1(4074.13,2203.08) ; CN2.11@4121.38,2158.07 4121.38,2128.62 v1(4126,2124) ; v1(4162,2198) 4168.62,2191.38 CN2.15@4168.62,2158.07 ; v1(4195,2124) 4202,2124 4215.87,2137.87 CN2.19@4215.87,2158.07 ; CN2.25@4286.73,2158.07 4286.73,2191.73 v1(4295,2200)
  BOTTOM w12: v1(3635,2240) 3657.32,2217.68 CN1.13@3657.32,2180.11 ; CN1.7@3716.38,2180.11 3716.38,2219.38 3732,2235 v1(3735,2235) ; CN2.2@4015.08,2043.89 4015.08,2075.08 v1(4025,2085) 4038.7,2071.3 CN2.4@4038.7,2043.89
  BOTTOM w20: v1(650,2155) C9.1@695,2155 ; 695,2129.48 C9.1@695,2155 ; 719.02,2155 C9.1@695,2155 ; v1(3085,2050.98) CN1.64@3157.52,2050.98 ; 3157.52,2030.46 CN1.64@3157.52,2050.98 ; 3215.54,2050.98 CN1.64@3157.52,2050.98 ; v1(3254.02,2050.98) CN1.63@3365,2050.98 ; 3365,2030.46 CN1.63@3365,2050.98 ; 3365,2071.5 CN1.63@3365,2050.98 ; v1(3390.98,1745.98) C8.1@3430,1745.98 ; 3514.48,2050.98 CN1.62@3615,2050.98 ; v1(3560,1702) SB2.2@3560,1745 ; 3615,2071.5 CN1.62@3615,2050.98 ; 3715.52,2050.98 CN1.62@3615,2050.98 ; 3764.46,2050.98 CN1.61@3822.48,2050.98 ; 3822.48,2030.46 CN1.61@3822.48,2050.98 ; 3822.48,2071.5 CN1.61@3822.48,2050.98 ; 3880.5,2050.98 CN1.61@3822.48,2050.98 ; 3916.98,1945.98 C6.2@3950,1945.98 ; v1(3950,1890) C6.2@3950,1945.98 ; 3950,1984 C6.2@3950,1945.98 ; 3983.02,1945.98 C6.2@3950,1945.98 ; 4001.06,2043.89 CN2.2@4015.08,2043.89 4015.08,2019.87 ; 4335.98,2055.98 C7.1@4360,2055.98 ; 4360,2030.46 C7.1@4360,2055.98 ; v1(4400,2055.98) C7.1@4360,2055.98 ; 4476.98,2255.98 TP1.1@4515,2255.98 ; 4515,2217.96 TP1.1@4515,2255.98 ; 4515,2294 TP1.1@4515,2255.98 ; 4553.02,2255.98 TP1.1@4515,2255.98
  other v1: 1280.53,35.62 1956.13,35.62 4137.89,37.6 4527.35,37.6 46.58,39.6 652.62,39.59 2593.97,39.58 3641.15,39.59 3104.64,41.57 4966.48,43.56 1280,260 1960,280 2700,280 3260,280 880,420 39.63,427.08 4964.5,468.79 1660,520 2340,520 1160,540 2980,540 3580,560 400,640 1380,780 1960,800 2700,800 4962.51,834.41 3240,840 880,920 41.61,925.81 1140,1080 2980,1120 1980,1140 3600,1140 380,1160 2460,1320 860,1340 1460,1340 41.61,1343.09 4964.49,1355.01 3240,1380 2740,1400 3600,1520 1140,1600 1980,1600 4121,1735 4962.5,1847.43 880,1860 3375,1860 3863,1868 41.61,1875.62 360,1880 1440,1880 1980,1880 2460,1900 2920,1900 3895,1925 4144,1936 3140,1948 3895,1965 3616,1980 3480,1981 3402,1984 1290,1995 1290,2045 3487,2054 3790,2085 3674,2090 1288,2099 3702,2121 1286,2153 3260,2240 4079.7,2267.69 45.59,2296.87 349.62,2307.8 4388.24,2308.42 2154,2310 561,2311 2631,2312 4669.41,2313.39 1600,2314 3891.92,2313.89 1257,2315 929,2316 3122,2316 4965.48,2316.37 3320.62,2317.38 3585.89,2317.87
HSSI_CLK_N: CN1.5 CN2.12 | length 810
  TOP w5.1: v1(3730.9,2099.86) 3738.4,2092.36 3738.4,2074.62 3728.78,2065 3682.78,2065 3669,2051.22 3669,2018.78 3682.78,2005 4123.78,2005 4137.5,1991.28 4137.5,1976.14 v1(4130,1968.64)
  BOTTOM w5.1: v1(3730.9,2099.86) 3738.4,2107.36 3738.4,2145 3736.06,2147.34 CN1.5@3736.06,2180.11 ; v1(4130,1968.64) 4137.5,1976.14 4137.5,2016.73 4133.19,2021.04 CN2.12@4133.19,2043.89
HSSI_CLK_P: CN1.3 CN2.14 | length 810
  TOP w5.1: v1(3760.9,2099.86) 3753.4,2092.36 3753.4,2068.4 3735,2050 3689,2050 3684,2045 3684,2025 3689,2020 4130,2020 4152.5,1997.5 4152.5,1976.14 v1(4160,1968.64)
  BOTTOM w5.1: CN1.3@3755.75,2180.11 3755.75,2147.35 3753.4,2145 3753.4,2107.36 v1(3760.9,2099.86) ; CN2.14@4156.81,2043.89 4156.81,2021.04 4152.5,2016.73 4152.5,1976.14 v1(4160,1968.64)
HSSI_D0_N: CN1.11 CN2.8 | length 809.1
  TOP w5.1: v1(3671.84,2238.86) 3679.34,2231.36 3679.34,2198.88 3693.22,2185 3775.22,2185 3825.53,2235.31 3890.69,2235.31 3928.16,2197.84 3928.16,2109.78 3941.94,2096 4001.26,2096 4015.04,2109.78 4015.04,2145.79 4020.04,2150.79 4085.25,2150.79 4090.25,2145.79 4090.25,2103.48 v1(4082.75,2095.98)
  BOTTOM w5.1: v1(3671.84,2238.86) 3672.86,2238.86 3679.35,2232.37 3679.35,2215.34 3677.01,2213 CN1.11@3677.01,2180.11 ; v1(4082.75,2095.98) 4090.25,2088.48 4090.25,2060 4085.94,2055.69 CN2.8@4085.94,2043.89
HSSI_D0_P: CN1.9 CN2.10 | length 809
  TOP w5.1: v1(3701.84,2238.86) 3694.34,2231.36 3694.34,2205.1 3699.44,2200 3769,2200 3819.31,2250.31 3896.91,2250.31 3943.16,2204.06 3943.16,2116 3948.16,2111 3995.04,2111 4000.04,2116 4000.04,2152.01 4013.82,2165.79 4091.47,2165.79 4105.25,2152.01 4105.25,2103.48 v1(4112.75,2095.98)
  BOTTOM w5.1: CN1.9@3696.69,2180.11 3696.69,2214 3694.35,2216.34 3694.35,2232.37 3700.84,2238.86 v1(3701.84,2238.86) ; CN2.10@4109.57,2043.89 4109.57,2055.68 4105.25,2060 4105.25,2088.48 v1(4112.75,2095.98)
HSSI_D1_N: CN1.17 CN2.16 | length 809.3
  TOP w5.1: v1(3612.79,2104.86) 3620,2112.07 3620,2140 3638,2158 3769,2158 3862,2065 4167.78,2065 4184.74,2081.96 4184.74,2088.48 v1(4177.24,2095.98)
  BOTTOM w5.1: v1(3612.79,2104.86) 3620.29,2112.36 3620.29,2145 3617.95,2147.34 CN1.17@3617.95,2180.11 ; v1(4177.24,2095.98) 4184.74,2088.48 4184.74,2060 4180.43,2055.69 CN2.16@4180.43,2043.89
HSSI_D1_P: CN1.15 CN2.18 | length 809.6
  TOP w5.1: v1(3642.79,2104.86) 3635,2112.65 3635,2133.78 3644.22,2143 3762.78,2143 3855.78,2050 4174,2050 4199.74,2075.74 4199.74,2088.48 v1(4207.24,2095.98)
  BOTTOM w5.1: CN1.15@3637.64,2180.11 3637.64,2147.35 3635.29,2145 3635.29,2112.36 v1(3642.79,2104.86) ; CN2.18@4204.06,2043.89 4204.06,2055.68 4199.74,2060 4199.74,2088.48 v1(4207.24,2095.98)
I2C_SCL: CN1.44 CN3.3 R6.1 | length 2753.4
  BOTTOM w5: CN3.3@905.16,2250.98 905.16,2106.84 962,2050 1135,2050 R6.1@1140,2045 1165,2020 2980,2020 3145,1855 3330,1855 3362.05,1887.05 CN1.44@3362.05,1921.85
I2C_SDA: CN1.40 CN3.4 R7.1 | length 2737.1
  BOTTOM w5: CN3.4@924.84,2250.98 924.84,2115.16 970,2070 1110,2070 R7.1@1140,2100 1165,2075 2985,2075 3075,1985 3372,1985 3401.42,1955.58 CN1.40@3401.42,1921.85
INT: CN1.4 CN3.2 R8.2 | length 3166.8
  TOP w5: v1(2975,1965) 3015,2005 v1(3255,2005)
  BOTTOM w5: CN3.2@885.47,2250.98 885.47,2086.53 982,1990 R8.2@1140,1990 1165,1965 v1(2975,1965) ; v1(3255,2005) 3725,2005 3755.75,1974.25 CN1.4@3755.75,1921.85
K: CN2.23 R3.2 U1.4 | length 1397.8
  TOP w20: v1(4110,1320) 4460,1670 4460,2115 4345,2230 4270,2230 4255,2215 v1(4255,2195)
  BOTTOM w12: v1(4255,2195) 4263.11,2186.89 CN2.23@4263.11,2158.07
  BOTTOM w15: U1.4@4064.37,1223.07 4064.37,1313.39 R3.2@4070.98,1320
  BOTTOM w20: R3.2@4070.98,1320 v1(4110,1320)
NETCN1_32: CN1.32 SB1.1 | length 112
  BOTTOM w5: 3480.16,1809.84 CN1.32@3480.16,1921.85
NETL2_2: L2.2 U1.8 Z1.1 | length 282.3
  BOTTOM w16: 3961.93,1106.93 U1.8@3987.59,1106.93
  BOTTOM w20: 3800.46,870 Z1.1@3830.98,870 ; 3802.96,1107 L2.2@3860.98,1107 ; 3830.98,845.98 Z1.1@3830.98,870 ; 3830.98,894.02 Z1.1@3830.98,870 ; 3860.98,1075.98 L2.2@3860.98,1107 ; 3860.98,1138.02 L2.2@3860.98,1107 ; 3919,1107 L2.2@3860.98,1107
NETR1_1: R1.1 R4.1 R5.1 U1.7 | length 197.8
  BOTTOM w16: R1.1@4010.98,1030 4013.18,1032.2 U1.7@4013.18,1106.93
  BOTTOM w20: R5.1@3890.98,1030 R4.1@3950.98,1030 R1.1@4010.98,1030
NETR2_1: R2.1 U1.2 | length 97.8
  BOTTOM w10: R2.1@4010.98,1320 4013.18,1317.8 U1.2@4013.18,1223.07
RST: CN1.57 CN2.5 CN3.5 | length 3530.1
  BOTTOM w5: CN3.5@944.53,2250.98 944.53,2125.47 983,2087 1080,2087 1118,2125 3035,2125 3080,2080 3180,2080 3225,2125 3225,2179.36 CN1.57@3224.25,2180.11 3224.25,2245 3264.25,2285 3873.62,2285 3909.62,2249 4027,2249 4050.51,2225.49 CN2.5@4050.51,2158.07
TE: CN1.49 CN2.22 | length 1289.1
  BOTTOM w5: CN1.49@3302.99,2180.11 3302.99,2122.01 3325,2100 3454,2100 3467,2087 3467,2043 3480,2030 3765,2030 3843,1952 3843,1932 3924,1851 4149,1851 4251.3,1953.3 CN2.22@4251.3,2043.89
VDD: C6.1 C7.2 C8.2 C9.2 CN1.36 CN2.6 CN2.21 CN3.1 R5.2 R6.2 R7.2 R8.1 TP3.1 | length 971.7
  BOTTOM w10: C8.2@3430,1805.98 3440.79,1816.77 CN1.36@3440.79,1921.85
  BOTTOM w12: C9.2@695,2215 855.79,2215 865.79,2225 CN3.1@865.79,2250.98 ; C6.1@4060,1945.98 4062.32,1948.3 CN2.6@4062.32,2043.89 ; CN2.21@4239.49,2158.07 4239.49,2130.51 4265,2105 4349.02,2105 C7.2@4360,2115.98
  BOTTOM w20: TP3.1@600,2215 v1(655,2215) C9.2@695,2215 ; R8.1@1200,1990 v1(1240,1990) ; R6.2@1200,2045 v1(1235,2045) ; R7.2@1200,2100 v1(1240,2100) ; v1(3385,1805.98) C8.2@3430,1805.98 ; v1(3860.98,1000) R5.2@3890.98,970 ; v1(4060,1895) C6.1@4060,1945.98 ; C7.2@4360,2115.98 v1(4400,2115.98)
VL: C3.2 C4.2 C5.1 L1.2 L2.1 TP5.1 U1.1 | length 697.4
  BOTTOM w20: 3707.96,1435 TP5.1@3745.98,1435 ; 3745.98,1396.98 TP5.1@3745.98,1435 ; 3745.98,1473.02 TP5.1@3745.98,1435 ; 3784,1435 TP5.1@3745.98,1435 ; 3802.96,1223 L2.1@3860.98,1223 ; 3821.96,1455 C5.1@3852.98,1455 ; 3835.46,1315 C4.2@3860.98,1315 ; 3835.46,1375 C3.2@3860.98,1375 ; 3835.46,1540 L1.2@3860.98,1540 ; 3852.98,1416.98 C5.1@3852.98,1455 ; 3852.98,1493.02 C5.1@3852.98,1455 ; 3860.98,1191.98 L2.1@3860.98,1223 ; 3860.98,1254.02 L2.1@3860.98,1223 ; 3860.98,1290.98 C4.2@3860.98,1315 ; 3860.98,1339.02 C4.2@3860.98,1315 ; 3860.98,1350.98 C3.2@3860.98,1375 ; 3860.98,1399.02 C3.2@3860.98,1375 ; 3860.98,1515.98 L1.2@3860.98,1540 ; 3860.98,1564.02 L1.2@3860.98,1540 ; 3919,1223 L2.1@3860.98,1223 ; 3971.57,1223.07 U1.1@3987.59,1223.07 3987.59,1246.59
pads on no net: "CN1. " "CN2. " CN1.2 CN1.6 CN1.8 CN1.10 CN1.12 CN1.14 CN1.16 CN1.18 CN1.20 CN1.22 CN1.24 CN1.25 CN1.26 CN1.28 CN1.30 CN1.31 CN1.33 CN1.34 CN1.35 CN1.37 CN1.38 CN1.39 CN1.41 CN1.42 CN1.43 CN1.45 CN1.46 CN1.47 CN1.48 CN1.50 CN1.51 CN1.52 CN1.54 CN1.55 CN1.56 CN1.58 CN1.59 CN1.60 CN2.1 CN2.9 CN2.13 CN2.17 CN2.20 CN3.7 CN3.8 U1.5
copper on no net: | length 200487.5